# Altium PCB Xavier_NX_Carrier_Board_v1.1.PcbDoc (part 6 of 6)
Units mm, origin at the board's own origin, x right, y up, seen from the top; angles counter-clockwise.
Board outline 106.25 x 75.1 mm, 6 copper layers (TOP, L2_GND, L3_PWR, L4_SIG, L5_GND, BOTTOM), stack 0.881 mm thick; 282 components, 291 nets, 1670 pads, 857 vias.
Unrouted connection lines stored in the file: 3.
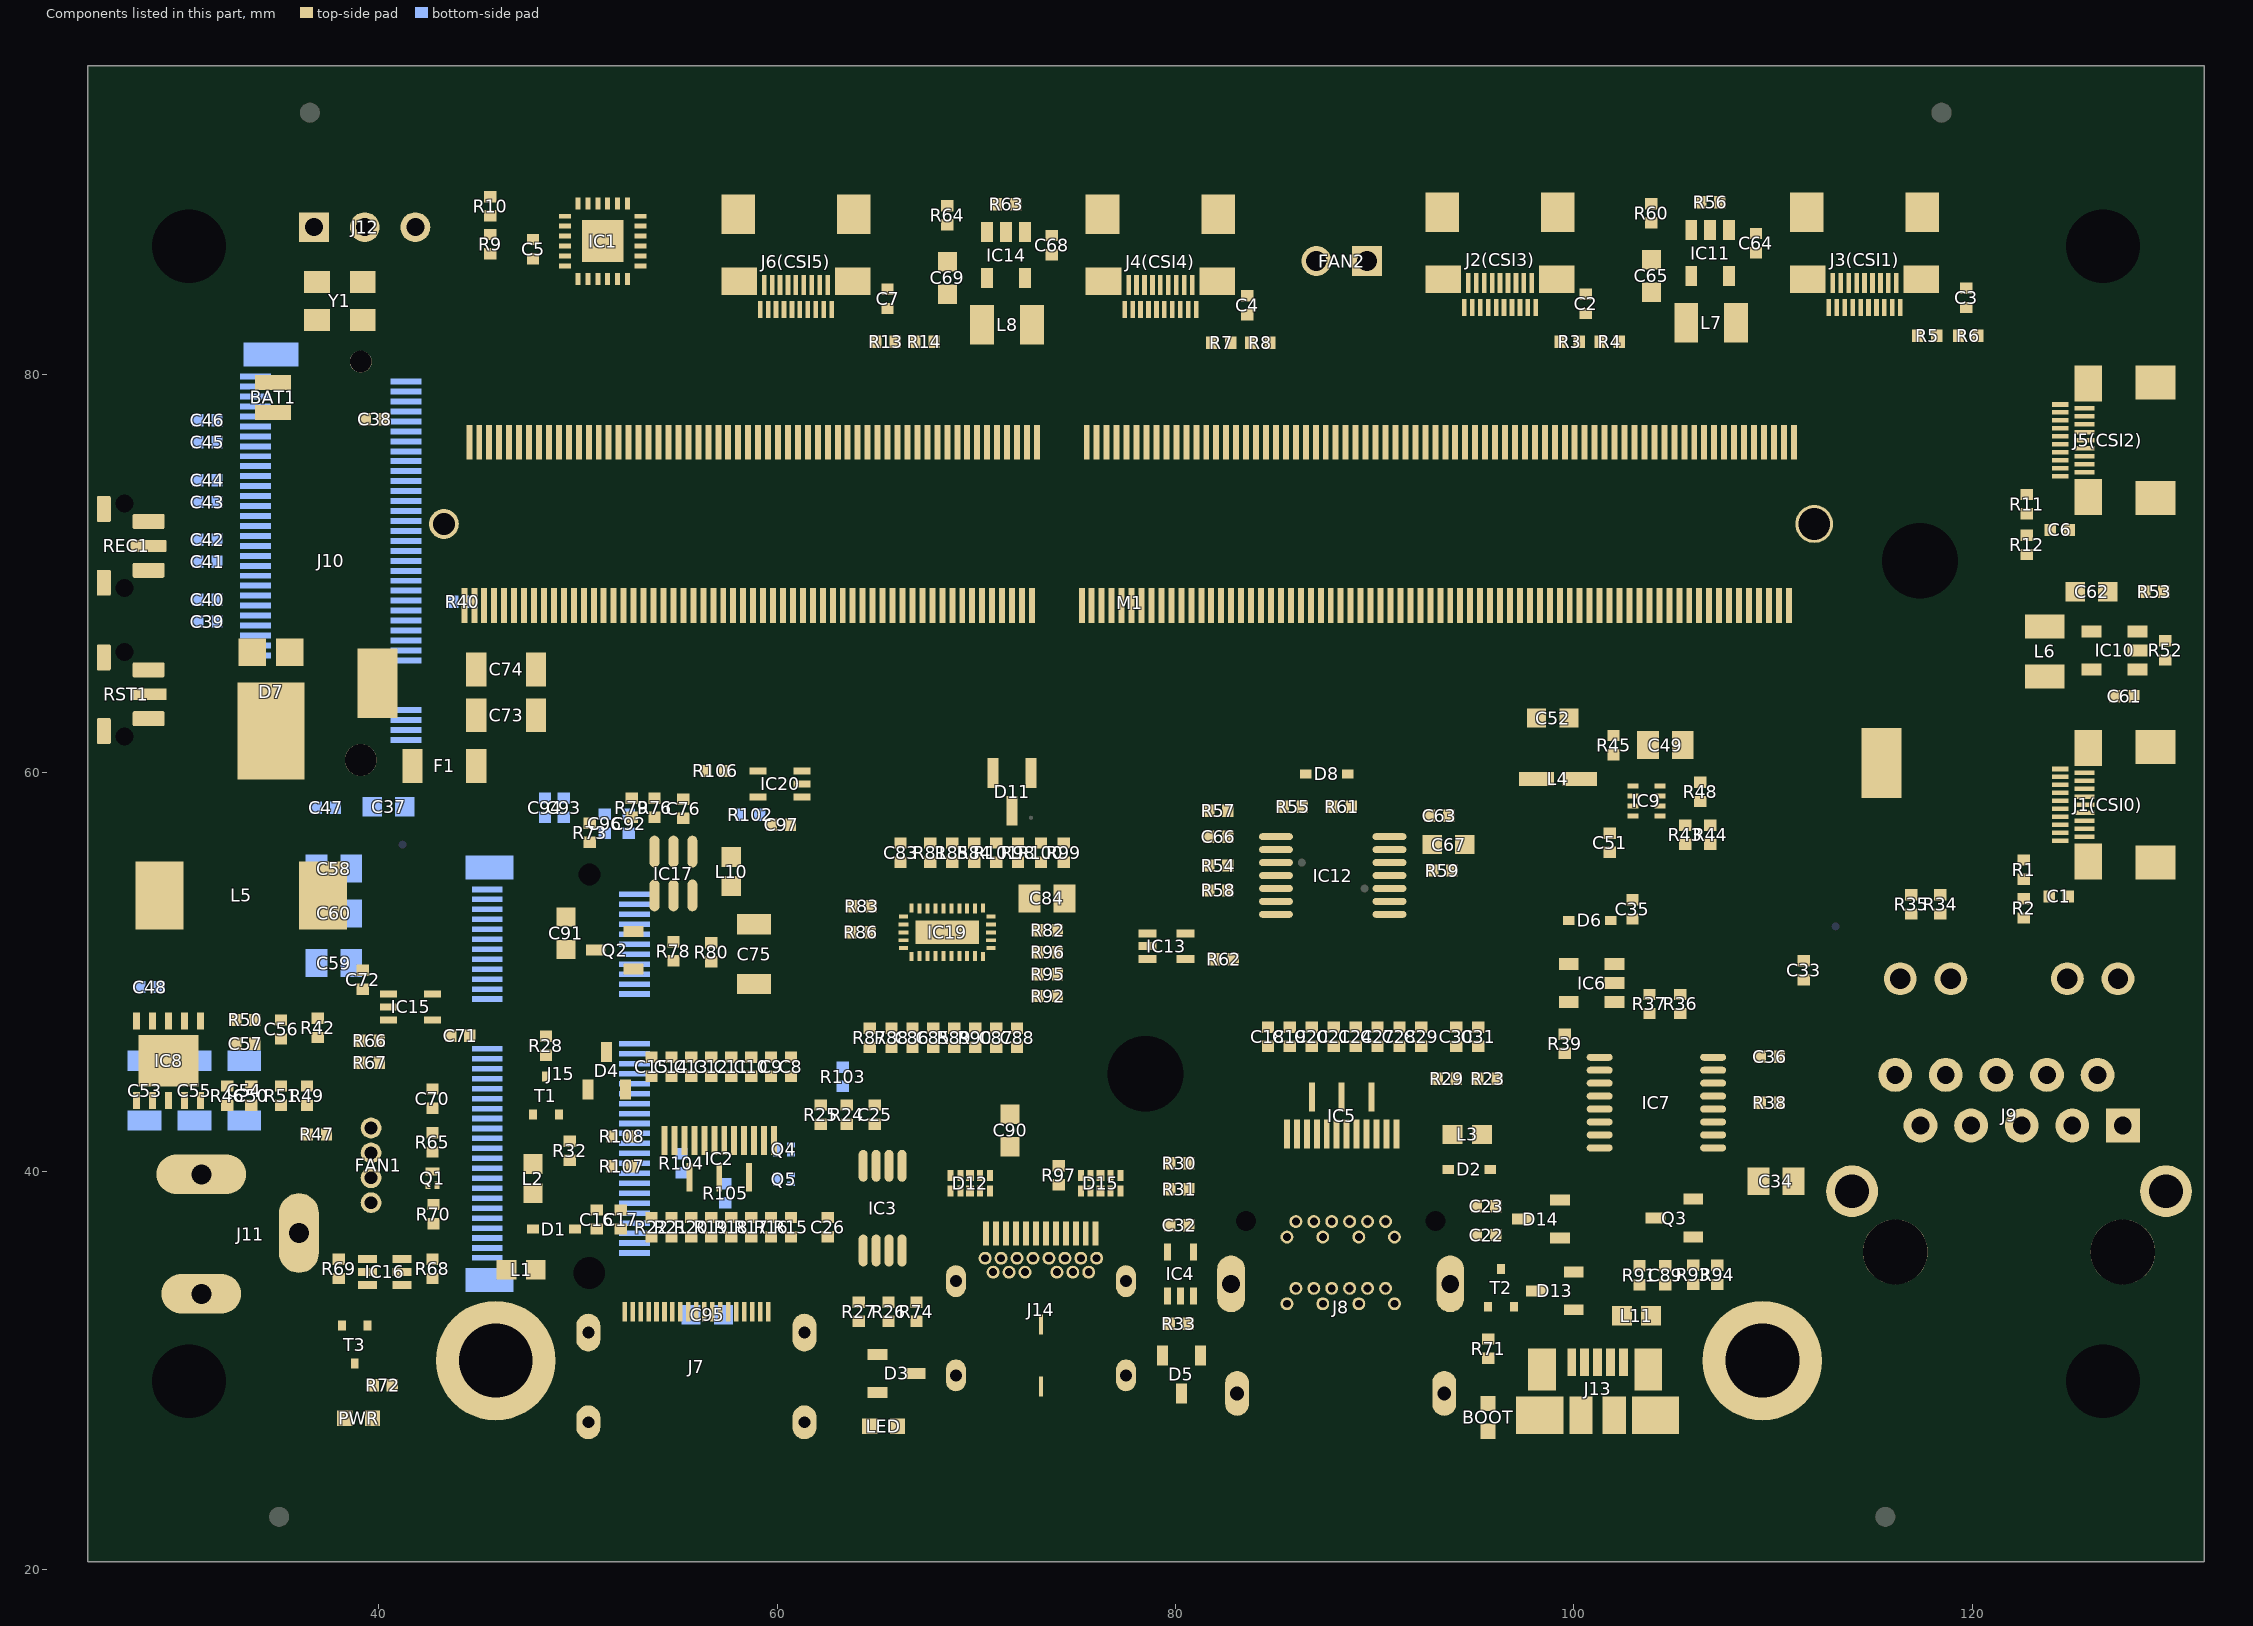
[diagram p10: the components of this part, seen from the top]

## Silkscreen, mask and mechanical layers (free items; w line width, h text height) (continued)
Drill Drawing:
  drawing of 184 lines, arcs and shapes, not listed
  text "Symbol" at 141.977,93.795 h1.83
  text "Count" at 154.826,93.795 h1.83
  text "Hole Size" at 170.062,93.795 h1.83
  text "Plated" at 199.263,93.795 h1.83
  text "Hole Type" at 212.112,93.795 h1.83
  text "Drill Layer Pair" at 230.751,93.795 h1.83
  text "Via/Pad" at 260.968,93.795 h1.83
  text "857" at 154.826,89.985 h1.52
  text "10.00mil (0.254mm)" at 170.062,89.985 h1.52
  text "PTH" at 199.263,89.985 h1.52
  text "Round" at 212.112,89.985 h1.52
  text "TOP - BOTTOM" at 230.751,89.985 h1.52
  text "Via" at 260.968,89.985 h1.52
  text "I" at 141.52,89.731 h1.69
  text "34" at 154.826,86.175 h1.52
  text "15.75mil (0.400mm)" at 170.062,86.175 h1.52
  text "PTH" at 199.263,86.175 h1.52
  text "Round" at 212.112,86.175 h1.52
  text "TOP - BOTTOM" at 230.751,86.175 h1.52
  text "Pad" at 260.968,86.175 h1.52
  text "2" at 154.826,82.365 h1.52
  text "23.62mil (0.600mm)" at 170.062,82.365 h1.52
  text "PTH" at 199.263,82.365 h1.52
  text "Slot" at 212.112,82.365 h1.52
  text "TOP - BOTTOM" at 230.751,82.365 h1.52
  text "Pad" at 260.968,82.365 h1.52
  text "A" at 141.238,82.111 h1.69
  text "4" at 154.826,78.555 h1.52
  text "23.62mil (0.600mm)" at 170.062,78.555 h1.52
  text "PTH" at 199.263,78.555 h1.52
  text "Slot" at 212.112,78.555 h1.52
  text "TOP - BOTTOM" at 230.751,78.555 h1.52
  text "Pad" at 260.968,78.555 h1.52
  text "2" at 154.826,74.745 h1.52
  text "23.62mil (0.600mm)" at 170.062,74.745 h1.52
  text "PTH" at 199.263,74.745 h1.52
  text "Slot" at 212.112,74.745 h1.52
  text "TOP - BOTTOM" at 230.751,74.745 h1.52
  text "Pad" at 260.968,74.745 h1.52
  text "4" at 154.826,70.935 h1.52
  text "25.20mil (0.640mm)" at 170.062,70.935 h1.52
  text "PTH" at 199.263,70.935 h1.52
  text "Round" at 212.112,70.935 h1.52
  text "TOP - BOTTOM" at 230.751,70.935 h1.52
  text "Pad" at 260.968,70.935 h1.52
  text "2" at 154.826,67.125 h1.52
  text "27.56mil (0.700mm)" at 170.062,67.125 h1.52
  text "PTH" at 199.263,67.125 h1.52
  text "Slot" at 212.112,67.125 h1.52
  text "TOP - BOTTOM" at 230.751,67.125 h1.52
  text "Pad" at 260.968,67.125 h1.52
  text "C" at 141.238,66.871 h1.69
  text "10" at 154.826,63.315 h1.52
  text "35.04mil (0.890mm)" at 170.062,63.315 h1.52
  text "PTH" at 199.263,63.315 h1.52
  text "Round" at 212.112,63.315 h1.52
  text "TOP - BOTTOM" at 230.751,63.315 h1.52
  text "Pad" at 260.968,63.315 h1.52
  text "7" at 154.826,59.505 h1.52
  text "35.43mil (0.900mm)" at 170.062,59.505 h1.52
  text "PTH" at 199.263,59.505 h1.52
  text "Round" at 212.112,59.505 h1.52
  text "TOP - BOTTOM" at 230.751,59.505 h1.52
  text "Pad" at 260.968,59.505 h1.52
  text "2" at 154.826,55.695 h1.52
  text "35.43mil (0.900mm)" at 170.062,55.695 h1.52
  text "PTH" at 199.263,55.695 h1.52
  text "Slot" at 212.112,55.695 h1.52
  text "TOP - BOTTOM" at 230.751,55.695 h1.52
  text "Pad" at 260.968,55.695 h1.52
  text "D" at 141.238,55.441 h1.69
  text "2" at 154.826,51.885 h1.52
  text "39.37mil (1.000mm)" at 170.062,51.885 h1.52
  text "PTH" at 199.263,51.885 h1.52
  text "Round" at 212.112,51.885 h1.52
  text "TOP - BOTTOM" at 230.751,51.885 h1.52
  text "Pad" at 260.968,51.885 h1.52
  text "E" at 141.238,51.631 h1.69
  text "2" at 154.826,48.075 h1.52
  text "39.37mil (1.000mm)" at 170.062,48.075 h1.52
  text "PTH" at 199.263,48.075 h1.52
  text "Slot" at 212.112,48.075 h1.52
  text "TOP - BOTTOM" at 230.751,48.075 h1.52
  text "Pad" at 260.968,48.075 h1.52
  text "1" at 154.826,44.265 h1.52
  text "39.37mil (1.000mm)" at 170.062,44.265 h1.52
  text "PTH" at 199.263,44.265 h1.52
  text "Slot" at 212.112,44.265 h1.52
  text "TOP - BOTTOM" at 230.751,44.265 h1.52
  text "Pad" at 260.968,44.265 h1.52
  text "6" at 154.826,40.455 h1.52
  text "40.16mil (1.020mm)" at 170.062,40.455 h1.52
  text "PTH" at 199.263,40.455 h1.52
  text "Round" at 212.112,40.455 h1.52
  text "TOP - BOTTOM" at 230.751,40.455 h1.52
  text "Pad" at 260.968,40.455 h1.52
  text "3" at 154.826,36.645 h1.52
  text "43.31mil (1.100mm)" at 170.062,36.645 h1.52
  text "NPTH" at 199.263,36.645 h1.52
  text "Round" at 212.112,36.645 h1.52
  text "TOP - BOTTOM" at 230.751,36.645 h1.52
  text "Pad" at 260.968,36.645 h1.52
  text "3" at 154.826,32.835 h1.52
  text "62.99mil (1.600mm)" at 170.062,32.835 h1.52
  text "NPTH" at 199.263,32.835 h1.52
  text "Round" at 212.112,32.835 h1.52
  text "TOP - BOTTOM" at 230.751,32.835 h1.52
  text "Pad" at 260.968,32.835 h1.52
  text "2" at 154.826,29.025 h1.52
  text "66.93mil (1.700mm)" at 170.062,29.025 h1.52
  text "PTH" at 199.263,29.025 h1.52
  text "Round" at 212.112,29.025 h1.52
  text "TOP - BOTTOM" at 230.751,29.025 h1.52
  text "Pad" at 260.968,29.025 h1.52
  text "2" at 154.826,25.215 h1.52
  text "127.95mil (3.250mm)" at 170.062,25.215 h1.52
  text "NPTH" at 199.263,25.215 h1.52
  text "Round" at 212.112,25.215 h1.52
  text "TOP - BOTTOM" at 230.751,25.215 h1.52
  text "Pad" at 260.968,25.215 h1.52
  text "6" at 154.826,21.405 h1.52
  text "145.67mil (3.700mm)" at 170.062,21.405 h1.52
  text "PTH" at 199.263,21.405 h1.52
  text "Round" at 212.112,21.405 h1.52
  text "TOP - BOTTOM" at 230.751,21.405 h1.52
  text "Pad" at 260.968,21.405 h1.52
  text "2" at 154.826,17.595 h1.52
  text "149.61mil (3.800mm)" at 170.062,17.595 h1.52
  text "PTH" at 199.263,17.595 h1.52
  text "Round" at 212.112,17.595 h1.52
  text "TOP - BOTTOM" at 230.751,17.595 h1.52
  text "Pad" at 260.968,17.595 h1.52
  text "953 Total" at 154.826,13.785 h1.52
  text "Slot definitions :" at 141.977,10.103 h1.52
  text "Routed Path Length" at 168.207,10.103 h1.52
  text "= Calculated from tool start centre position to tool end centre position." at 196.215,10.103 h1.52
  text "Hole Length" at 168.207,7.563 h1.52
  text "= Routed Path Length + Tool Size = Slot length as defined in the PCB layout" at 185.804,7.563 h1.52

## Dimensions
25.4,20.4 to 131.65,20.4 on DIAMENSION
25.4,95.5 to 25.4,20.4 on DIAMENSION
25.4,90.5 to 25.4,25.4 on DIAMENSION

## Text inside footprints (layer, text, board x,y; h text height)
BAT1: Top Overlay "+" at 35.66,80.063 h0.76; Top Overlay "-" at 35.843,77.326 h0.76 r180
J7: Top Overlay "1" at 59.95,31.1 h1.02; Top Overlay "19" at 51.45,31.1 h1.02; Mechanical 15 "PCB Edge" at 54.156,26.704 h0.89
J9: Top Overlay "14" at 116.775,51.317 h0.6 r180; Top Overlay "13" at 119.442,51.317 h0.6 r180; Top Overlay "12" at 125.284,51.317 h0.6 r180; Top Overlay "11" at 127.697,51.317 h0.6 r180; Top Overlay "10" at 115.055,44.99 h0.6 r180; Top Overlay "9" at 116.255,42.59 h0.6 r180; Top Overlay "2" at 127.855,45.19 h0.6 r180; Top Overlay "1" at 129.055,42.59 h0.6 r180
J12: Top Overlay "Tx" at 38.652,89.002 h0.81; Top Overlay "Rx" at 41.302,89.052 h0.81; Top Overlay "GND" at 35.752,89.002 h0.81
M1: DIAMENSION "its real position may differ" at 88.325,31.7 h0.76 r180; DIAMENSION "module mounting holes placement taken from 3D models" at 97.35,30.625 h0.76 r180